# Altium PCB TTN_Gateway_V2.3.1.PcbDoc (part 1 of 3) (continued)
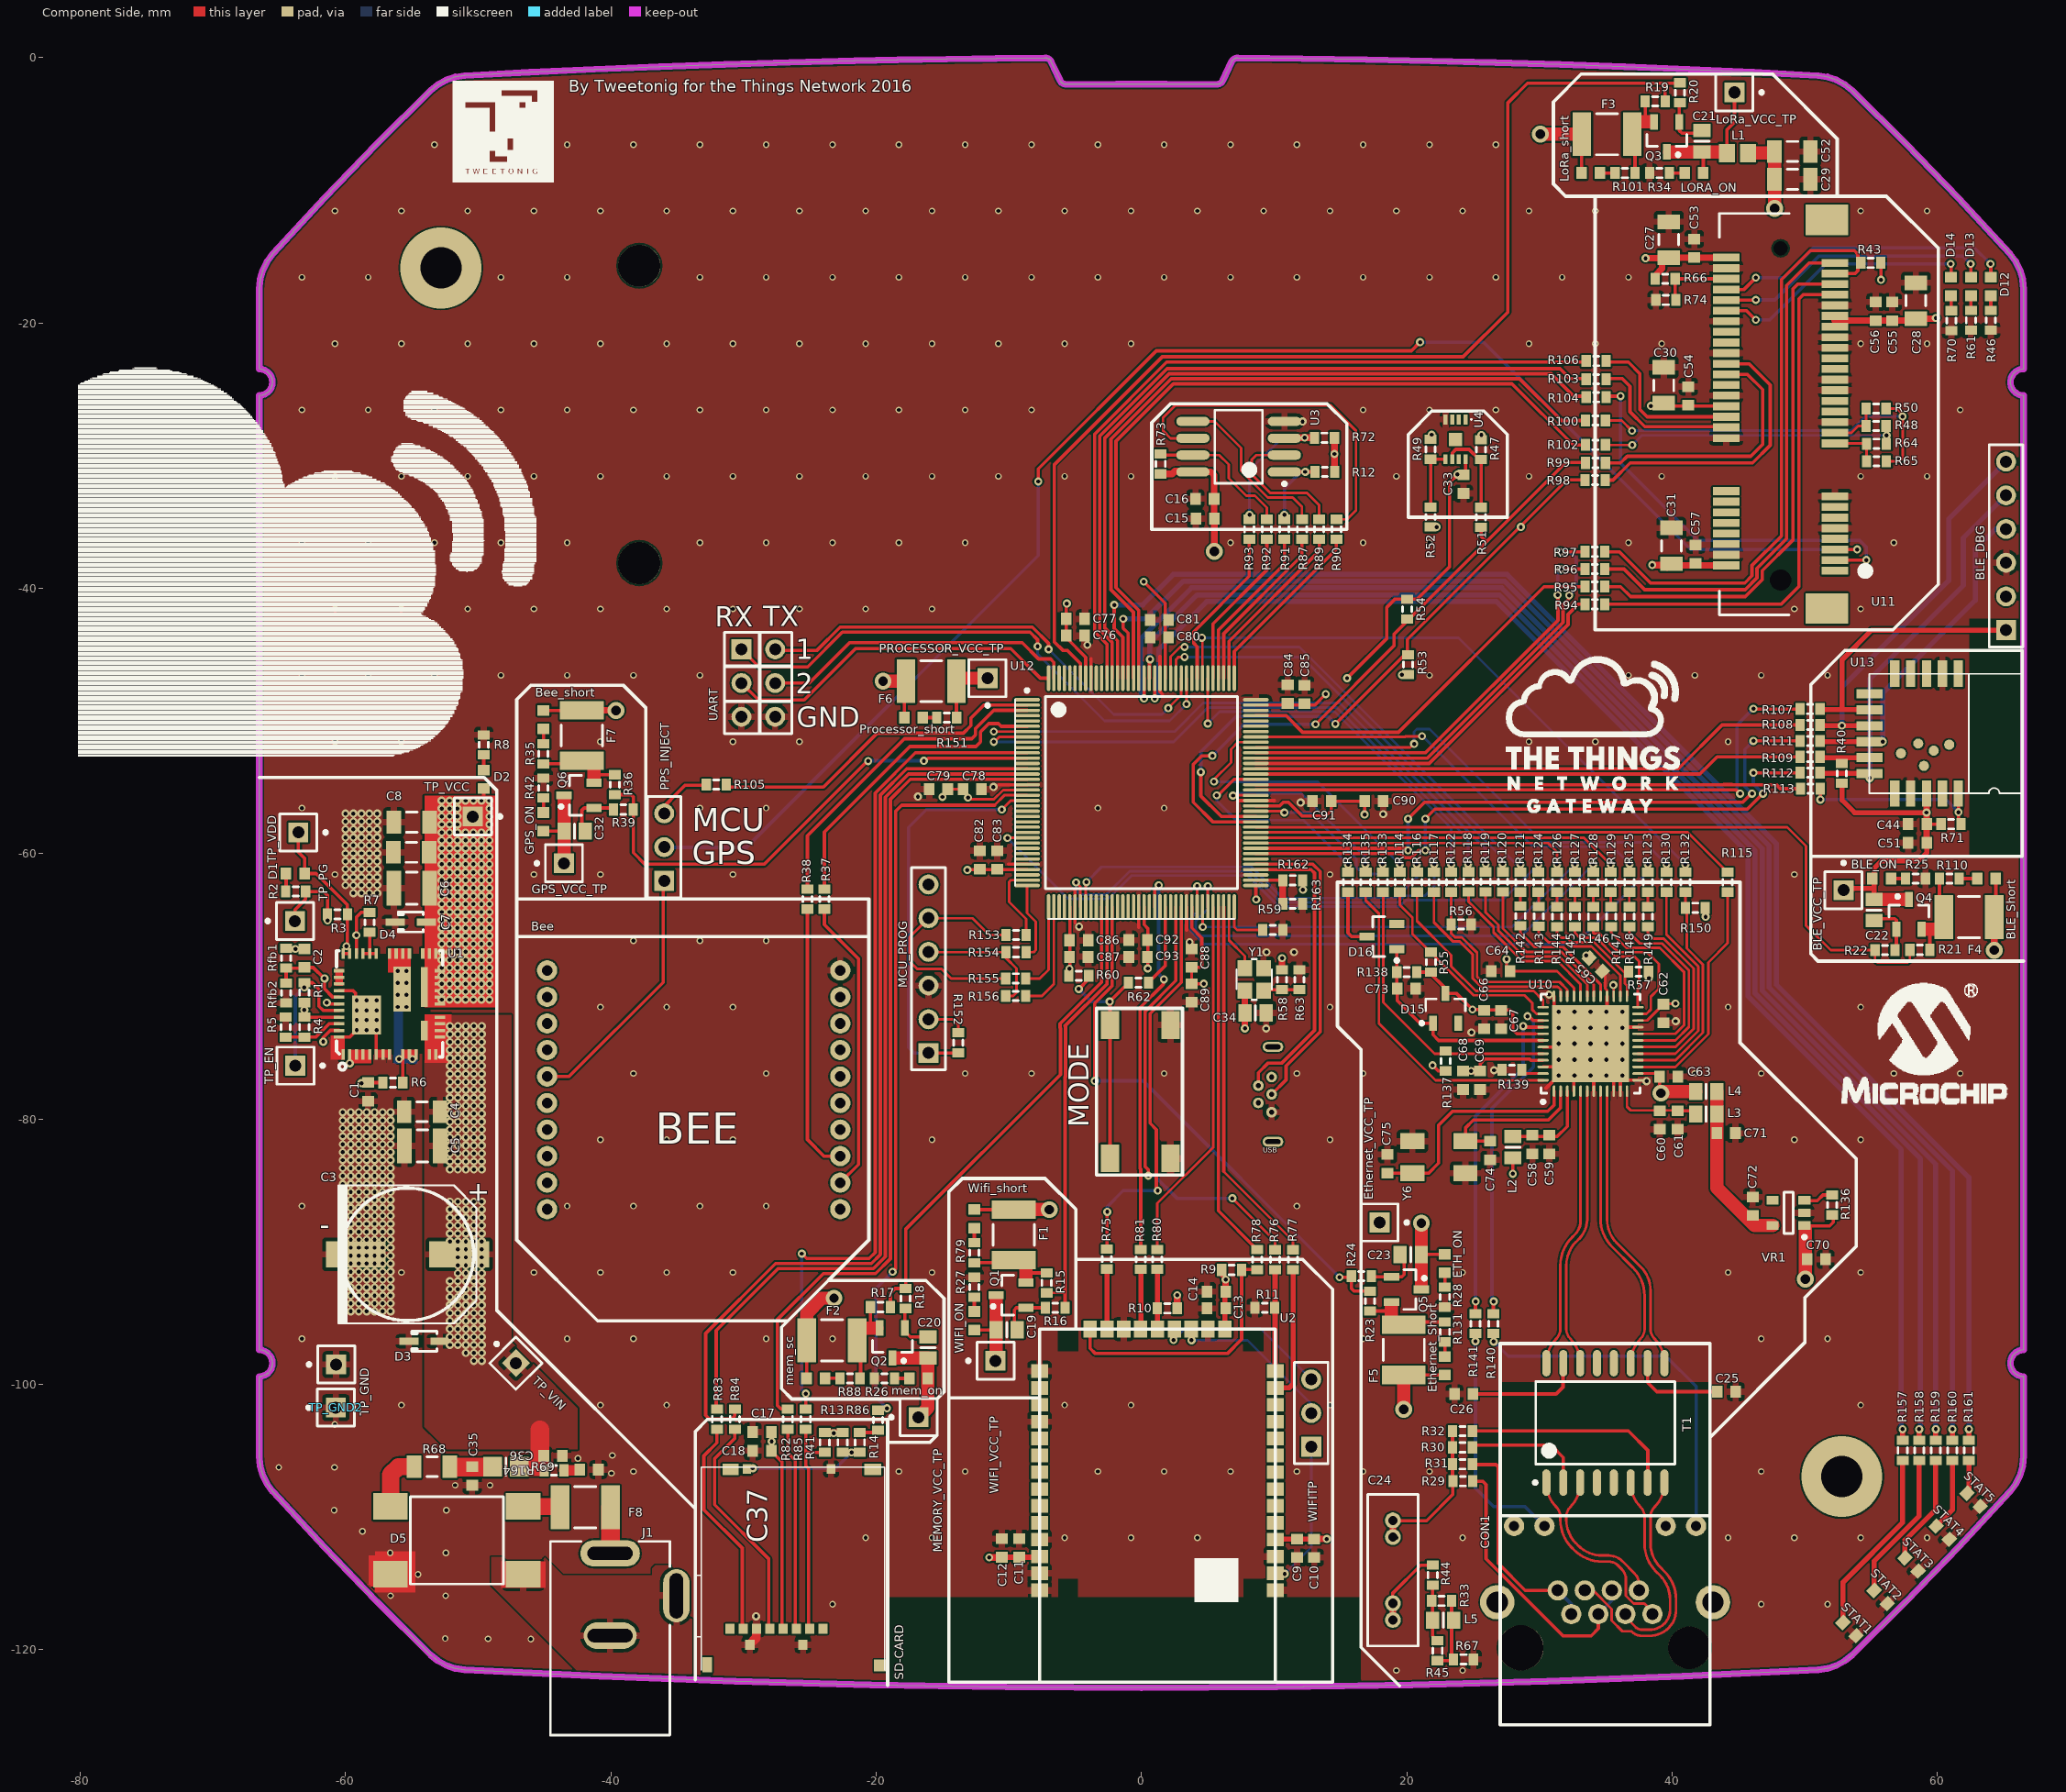
[diagram p0: Component Side view]
## Footprints (in the part's own frame and the unit in brackets; to place one, negate y for a bottom-side part, rotate by r counter-clockwise, add the part's x,y. Pads: shape width x height; smd on the part's side, far side on the other; paste and mask are expansions set on the pad) (continued)
BUTTON [mm]
  rect 2.1x1.4 smd: 1(0,0) 1(10.033,0) 2(0,-4.572) 2(10.033,-4.572)
  silkscreen extent -1.27,-5.59 11.3,0.89, body extent 1.14,-5.33 8.89,0.76, height 3
C0603 [mm] "Chip Capacitor, Body 1.6x0.8mm, IPC High Density"
  rect 0.8x0.9 smd: 1(-0.7,0) 2(0.7,0)
  body extent -0.87,-0.48 0.87,0.48, height 1.3
C1206 [mm] "Chip Capacitor, Body 3.2x1.6mm, IPC High Density"
  rect 1.1x1.7 smd: 1(-1.35,0) 2(1.35,0)
  silkscreen extent -0.4,-0.75 0.4,0.75, body extent -1.7,-0.9 1.7,0.9, height 1.3
C1210 [mm] "Chip Capacitor, Body 3.2x2.5mm, IPC High Density"
  rect 1.1x2.6 smd: 1(-1.35,0) 2(1.35,0)
  silkscreen extent -0.4,-1.2 0.4,1.2, body extent -1.7,-1.35 1.7,1.35, height 1.3
"CAP HV 5-7.5mm" [mm] "Radial Cap, Thru-Hole; 2 Leads; 0.3 in Pin Spacing"
  round 1.2 hole 0.7: 1(-3.75,0) 1(-2.5,0) 2(2.5,0) 2(3.75,0)
  Component Side lines w0.5: -3.725,0 -2.475,0 ; 2.5,0 3.775,0
  silkscreen extent -5.71,-1.91 5.71,1.91
"Crystal - ABM3B" [mm] "5x3.5 mm 8 Mhz Crystal: ABRACON ABM3B"
  rect 1.8x1.2 smd: 1(0,-2.4) 2(4,-2.4) 3(4,0) 4(0,0)
  body extent -0.77,-2.85 4.75,0.48, height 1.1
GWLX-S9-88-G/G [mm] "GWLX-S9-88-G/G Ethernet Jack with Leds"
  round 1.524 hole 0.9: 1(3.57,2.54) 2(2.55,4.32) 3(1.53,2.54) 4(0.51,4.32) 5(-0.51,2.54) 6(-1.53,4.32) 7(-2.55,2.54) 8(-3.57,4.32)
  round 1.524 hole 0.762: 9(6.86,9.18) 10(4.57,9.18) 11(-4.57,9.18) 12(-6.86,9.18)
  round 2.6 hole 1.6: ""(-8.13,3.43) ""(8.13,3.43)
  round 3.4 hole 3.4: ""(-6.35,0)
  round 3.2 hole 3.2: ""(6.35,0)
  silkscreen extent -7.9,-5.8 7.9,9.94, body extent -7.91,-5.99 7.92,9.94, height 13.21
HDR1X3 [mm] "Connector; Header; 3 Position"
  rect 1.5x1.5 hole 0.9: 1(0,0)
  round 1.5 hole 0.9: 2(2.54,0) 3(5.08,0)
  silkscreen extent -1.27,-1.27 6.35,1.27
HDR1X6 [mm] "Connector; Header; 6 Position"
  rect 1.5x1.5 hole 0.9: 1(0,0)
  round 1.5 hole 0.9: 2(2.54,0) 3(5.08,0) 4(7.62,0) 5(10.16,0) 6(12.7,0)
  silkscreen extent -1.27,-1.27 13.97,1.27
HDR2X3 [mm] "Connector; Header; 3x2 Position"
  rect 1.5x1.5 hole 0.9: 1(0,0)
  round 1.5 hole 0.9: 2(0,2.54) 3(2.54,0) 4(2.54,2.54) 5(5.08,0) 6(5.08,2.54)
  silkscreen extent -1.27,-1.27 6.35,3.81
KLD-0202 [mm] "DC Power Jack, 2.5mm, KLD Series, PCB Mount"
  oval 2x4.5 all layers, no hole: 1(13.7,0)
  round 0 all layers, no hole: 1A(13.7,-1.25) 1B(13.7,1.25) 2A(7.5,-1) 2B(7.5,1) 3A(9.5,-5) 3B(11.5,-5)
  oval 2x4 all layers, no hole: 2(7.5,0)
  oval 4x2 all layers, no hole: 3(10.5,-5)
  silkscreen extent 0,-4.5 14.6,4.5
MCHP-TQFP-PH144_M [mm] "QFP, 144-Leads, Body 16x16mm, Pitch 0.4mm, IPC Low Density"
  oval 1.95x0.25 smd: 1(-8.625,7) 2(-8.625,6.6) 3(-8.625,6.2) 4(-8.625,5.8) 5(-8.625,5.4) 6(-8.625,5) 7(-8.625,4.6) 8(-8.625,4.2) 9(-8.625,3.8) 10(-8.625,3.4) 11(-8.625,3) 12(-8.625,2.6) 13(-8.625,2.2) 14(-8.625,1.8) 15(-8.625,1.4) 16(-8.625,1) 17(-8.625,0.6) 18(-8.625,0.2) 19(-8.625,-0.2) 20(-8.625,-0.6) 21(-8.625,-1) 22(-8.625,-1.4) 23(-8.625,-1.8) 24(-8.625,-2.2) 25(-8.625,-2.6) 26(-8.625,-3) 27(-8.625,-3.4) 28(-8.625,-3.8) 29(-8.625,-4.2) 30(-8.625,-4.6) 31(-8.625,-5) 32(-8.625,-5.4) 33(-8.625,-5.8) 34(-8.625,-6.2) 35(-8.625,-6.6) 36(-8.625,-7) 73(8.625,-7) 74(8.625,-6.6) 75(8.625,-6.2) 76(8.625,-5.8) 77(8.625,-5.4) 78(8.625,-5) 79(8.625,-4.6) 80(8.625,-4.2) 81(8.625,-3.8) 82(8.625,-3.4) 83(8.625,-3) 84(8.625,-2.6) 85(8.625,-2.2) 86(8.625,-1.8) 87(8.625,-1.4) 88(8.625,-1) 89(8.625,-0.6) 90(8.625,-0.2) 91(8.625,0.2) 92(8.625,0.6) 93(8.625,1) 94(8.625,1.4) 95(8.625,1.8) 96(8.625,2.2) 97(8.625,2.6) 98(8.625,3) 99(8.625,3.4) 100(8.625,3.8) 101(8.625,4.2) 102(8.625,4.6) 103(8.625,5) 104(8.625,5.4) 105(8.625,5.8) 106(8.625,6.2) 107(8.625,6.6) 108(8.625,7)
  oval 0.25x1.95 smd: 37(-7,-8.625) 38(-6.6,-8.625) 39(-6.2,-8.625) 40(-5.8,-8.625) 41(-5.4,-8.625) 42(-5,-8.625) 43(-4.6,-8.625) 44(-4.2,-8.625) 45(-3.8,-8.625) 46(-3.4,-8.625) 47(-3,-8.625) 48(-2.6,-8.625) 49(-2.2,-8.625) 50(-1.8,-8.625) 51(-1.4,-8.625) 52(-1,-8.625) 53(-0.6,-8.625) 54(-0.2,-8.625) 55(0.2,-8.625) 56(0.6,-8.625) 57(1,-8.625) 58(1.4,-8.625) 59(1.8,-8.625) 60(2.2,-8.625) 61(2.6,-8.625) 62(3,-8.625) 63(3.4,-8.625) 64(3.8,-8.625) 65(4.2,-8.625) 66(4.6,-8.625) 67(5,-8.625) 68(5.4,-8.625) 69(5.8,-8.625) 70(6.2,-8.625) 71(6.6,-8.625) 72(7,-8.625) 109(7,8.625) 110(6.6,8.625) 111(6.2,8.625) 112(5.8,8.625) 113(5.4,8.625) 114(5,8.625) 115(4.6,8.625) 116(4.2,8.625) 117(3.8,8.625) 118(3.4,8.625) 119(3,8.625) 120(2.6,8.625) 121(2.2,8.625) 122(1.8,8.625) 123(1.4,8.625) 124(1,8.625) 125(0.6,8.625) 126(0.2,8.625) 127(-0.2,8.625) 128(-0.6,8.625) 129(-1,8.625) 130(-1.4,8.625) 131(-1.8,8.625) 132(-2.2,8.625) 133(-2.6,8.625) 134(-3,8.625) 135(-3.4,8.625) 136(-3.8,8.625) 137(-4.2,8.625) 138(-4.6,8.625) 139(-5,8.625) 140(-5.4,8.625) 141(-5.8,8.625) 142(-6.2,8.625) 143(-6.6,8.625) 144(-7,8.625)
  silkscreen extent -8.75,-7.25 7.25,7.82, body extent -8,-8 8,8, height 1.2
MRF24WN0MA [mil] "MRF24WN0MA - Wifi B/G/N Module"
  rect 50x40 smd: 1(0,775) 2(0,725) 3(0,675) 4(0,625) 5(0,575) 6(0,525) 7(0,475) 8(0,425) 9(0,375) 10(0,325) 11(0,275) 12(0,225) 13(0,175) 14(0,125) 24(700,125) 25(700,175) 26(700,225) 27(700,275) 28(700,325) 29(700,375) 30(700,425) 31(700,475) 32(700,525) 33(700,575) 34(700,625) 35(700,675) 36(700,725) 37(700,775)
  rect 40x50 smd: 15(150,0) 16(200,0) 17(250,0) 18(300,0) 19(350,0) 20(400,0) 21(450,0) 22(500,0) 23(550,0)
  Component Side pour cut-out: 35,5 35,65 95,65 95,5
  Component Side pour cut-out: 35,740 35,800 95,800 95,740
  Component Side pour cut-out: 585,5 585,65 645,65 645,5
  Component Side pour cut-out: 585,740 585,800 645,800 645,740
  Component Side pour cut-out: -25,795 725,795 725,1050 -25,1050
  Top Overlay keep-out region: 110,680 240,680 240,810 110,810
  silkscreen extent 0,0 700,1048, body extent 0,0 700,1047, height 100
PIN1 [mm] "Connector; Plug"
  rect 1.5x1.5 hole 0.9: 1(0,0)
  silkscreen extent -1.4,-1.4 1.4,2.17
QFN48_M [mm] "QFN, 48-Leads, Body 7x7mm, Pitch 0.5mm, IPC Low Density"
  oval 0.85x0.2 smd: 1(-3.575,2.75) 2(-3.575,2.25) 3(-3.575,1.75) 4(-3.575,1.25) 5(-3.575,0.75) 6(-3.575,0.25) 7(-3.575,-0.25) 8(-3.575,-0.75) 9(-3.575,-1.25) 10(-3.575,-1.75) 11(-3.575,-2.25) 12(-3.575,-2.75) 25(3.575,-2.75) 26(3.575,-2.25) 27(3.575,-1.75) 28(3.575,-1.25) 29(3.575,-0.75) 30(3.575,-0.25) 31(3.575,0.25) 32(3.575,0.75) 33(3.575,1.25) 34(3.575,1.75) 35(3.575,2.25) 36(3.575,2.75)
  oval 0.2x0.85 smd: 13(-2.75,-3.575) 14(-2.25,-3.575) 15(-1.75,-3.575) 16(-1.25,-3.575) 17(-0.75,-3.575) 18(-0.25,-3.575) 19(0.25,-3.575) 20(0.75,-3.575) 21(1.25,-3.575) 22(1.75,-3.575) 23(2.25,-3.575) 24(2.75,-3.575) 37(2.75,3.575) 38(2.25,3.575) 39(1.75,3.575) 40(1.25,3.575) 41(0.75,3.575) 42(0.25,3.575) 43(-0.25,3.575) 44(-0.75,3.575) 45(-1.25,3.575) 46(-1.75,3.575) 47(-2.25,3.575) 48(-2.75,3.575)
  rect 5.8x5.8 smd paste-1: 49(0,0)
  silkscreen extent -4.5,-3.72 3.72,3.73, body extent -3.57,-3.57 3.57,3.57, height 0.9
R0603 [mm] "Chip Resistor, Body 1.6x0.8mm, IPC High Density"
  rect 0.7x0.9 smd: 1(-0.75,0) 2(0.75,0)
  silkscreen extent -0.2,-0.35 0.2,0.35, body extent -0.85,-0.48 0.85,0.48, height 0.9
SCHA4B0400 [mm]
  rect 0.7x0.75 smd: \C\S\(8.163,3.125) CLK(5.163,3.125) DAT1(2.163,3.125) DAT2(9.163,3.125) GND(3.662,1.925) GND(4.163,3.125) GND(7.662,1.925) MISO(3.163,3.125) MOSI(7.163,3.125) VDD(6.163,3.125)
  rect 0.65x0.75 smd: CD(3.437,15.175) GND(9.787,15.175)
  rect 0.745x1.15 smd: SHIELD(0.453,0.425)
  rect 1.2x0.85 smd: SHIELD(2.2,15.15)
  rect 1.3x0.85 smd: SHIELD(12.925,15.15)
  rect 0.95x0.9 smd: SHIELD(13.487,0.35)
  Mechanical 8 keep-out region: 0.9,6.65 9.8,6.65 9.8,11.05 0.9,11.05
  Mechanical 8 keep-out region: 5.445,12.8 7.95,12.8 7.95,15.35 5.445,15.35
  Mechanical 8 keep-out region: 4.4,12.8 7.95,12.8 7.95,14.2 4.4,14.2
  silkscreen extent -0.42,0 13.82,15.3
"SMD_CAP_10x7.7mm_220uF - duplicate" [mm] "UCD1V221MCL6GS"
  rect 4.5x2 smd: 1(3.9,0) 2(-3.9,0)
  silkscreen extent -5.2,-5.2 5.2,5.2, body extent -5.2,-5.2 5.2,5.2, height 7.7
SOD323 [mm] "SOD-323/SC-76; 2 Leads; Body 1.7 x 1.3 mm, (LxW)"
  rect 1.45x0.55 smd: 1(1.175,0) 2(-1.175,0)
  silkscreen extent -0.95,-0.75 0.95,0.75
SOIJ-SM8_M [mm] "SOP, 8-Leads, Body 5.2x5.2mm, Pitch 1.27mm, IPC Low Density"
  oval 2.5x0.7 smd: 1(-3.45,1.905) 2(-3.45,0.635) 3(-3.45,-0.635) 4(-3.45,-1.905) 5(3.45,-1.905) 6(3.45,-0.635) 7(3.45,0.635) 8(3.45,1.905)
  silkscreen extent -3.57,-2.75 1.8,2.93, body extent -2.73,-2.75 2.73,2.75, height 2.04
SOT23-5_L [mm] "SOT23, 5-Leads, Body 2.9x1.6mm, Pitch 0.95mm, Lead Span 2.8mm, IPC High Density"
  rect 0.9x0.65 smd: 1(-1.2,0.95) 2(-1.2,0) 3(-1.2,-0.95) 4(1.2,-0.95) 5(1.2,0.95)
  silkscreen extent -1.33,-1.55 0.35,1.95, body extent -0.9,-1.55 0.9,1.55, height 1.45
SOT23_N [mm] "SOT23, 3-Leads, Body 2.9x1.3mm, Pitch 0.95mm, Lead Span 2.3mm - Reverse Pinning, IPC Medium Density"
  rect 1.15x0.6 smd: 1(1.125,0) 2(-1.125,-0.95) 3(-1.125,0.95)
  silkscreen extent -0.2,-1.5 1.47,1.5, body extent -0.7,-1.5 0.7,1.5, height 1.1
SOT-23_N [mm] "SOT23, 3-Leads, Body 2.9x1.3mm, Pitch 0.95mm, Lead Span 2.5mm, IPC Medium Density"
  rect 1.15x0.6 smd: 1(-1.125,0.95) 2(-1.125,-0.95) 3(1.125,0)
  silkscreen extent -1.25,-1.5 0.7,1.92, body extent -0.7,-1.5 0.7,1.5, height 1.1
UDFN-MU8-non-thermal [mm] "UDFN, 8-Leads, Body 2x3mm, Pitch 0.5mm, Microchip Recommended"
  rect 0.75x0.3 smd: 1(-1.5,0.75) 2(-1.5,0.25) 3(-1.5,-0.25) 4(-1.5,-0.75) 5(1.5,-0.75) 6(1.5,-0.25) 7(1.5,0.25) 8(1.5,0.75)
  rect 1x1 smd: ""(0,0)
  silkscreen extent -1.55,1.15 -1.45,1.25, body extent -1.52,-1.02 1.52,1.02, height 0.55
"Vertical MicroUSB" [mm] "GCT vertical throughole usb: Farnell: 1080990"
  round 0.8 hole 0.4: 1(1.35,0) 2(0.65,-1) 3(0,0) 4(-0.65,-1) 5(-1.3,0)
  oval 0.75x1.55 hole 0.35 slot 1.15 at 90 deg: ""(-3.575,0.1) ""(3.575,0.1)
  body extent -3.9,-2.25 3.9,1.75, height 6.5
WSOIC16_L [mm] "16-Pin Small Outline Integrated Circuit 1.27 mm Pitch, IPC High Density"
  oval 2x0.6 smd: 1(-4.5,4.445) 2(-4.5,3.175) 3(-4.5,1.905) 4(-4.5,0.635) 5(-4.5,-0.635) 6(-4.5,-1.905) 7(-4.5,-3.175) 8(-4.5,-4.445) 9(4.5,-4.445) 10(4.5,-3.175) 11(4.5,-1.905) 12(4.5,-0.635) 13(4.5,0.635) 14(4.5,1.905) 15(4.5,3.175) 16(4.5,4.445)
  silkscreen extent -4.62,-5.25 3.1,5.42, body extent -3.75,-5.15 3.75,5.15, height 2.66

## Part data
Bee: "Header, 20-Pin"
Bee_short BLE_Short D12 D13 D14 Ethernet_Short LoRa_short mem_sc Processor_short STAT1 STAT2 STAT3 STAT4 STAT5 Wifi_short: "Typical INFRARED GaAs LED"
BLE_DBG MCU_PROG: "Header, 6-Pin"
BLE_ON D1 D2 ETH_ON GPS_ON LORA_ON mem_on WIFI_ON: library part LED0, "Typical INFRARED GaAs LED"
C1 C2 C4 C5 C6 C7 C8 C9 C10 C11 C12 C13 C14 C15 C16 C17 C18 C19 C20 C21 C22 C23 C24 C25 C26 C27 C28 C29 C30 C31 C32 C33 C34 C44 C51 C52 C53 C54 C55 C56 C57 C58 C59 C60 C61 C62 C63 C64 C65 C66 C67 C68 C69 C70 C71 C72 C73 C74 C75 C76 C77 C78 C79 C80 C81 C82 C83 C84 C85 C86 C87 C88 C89 C90 C91 C92 C93: "Capacitor"
C3: "Polarized Capacitor (Surface Mount)"
C35 C36 C37: library part 0603_47uF_20%, "47uF, 20%, 6.3V, X5R, 0603"
CON1: "GWLX-S9-88-G/G Ethernet Jack w/Leds"
D3 D4: library part Tranzorb, "Transient Voltage Suppression (TVS) Diode"
D5: "Full Wave Diode Bridge"
D15 D16: library part "Diode BAT17", "Silicon RF Schottky Diode for Mixer Applications in the VHF/UHF Range"
F1 F2 F3 F4 F5 F6 F7 F8: "Thermal Fuse"
J1: "Low Voltage Power Supply Connector"
MODE: "Switch"
PPS_INJECT WIFITP: "Header, 3-Pin"
Q1 Q2 Q3 Q4 Q5 Q6: "P-Channel MOSFET"
R1 R2 R3 R4 R5 R6 R7 R8 R9 R10 R11 R12 R13 R14 R15 R16 R17 R18 R19 R20 R21 R22 R23 R24 R25 R26 R27 R28 R29 R30 R31 R32 R33 R34 R35 R36 R37 R38 R39 R40 R41 R42 R43 R44 R45 R46 R47 R48 R49 R50 R53 R54 R55 R56 R57 R58 R59 R60 R61 R62 R63 R64 R65 R66 R67 R70 R71 R72 R73 R74 R79 R88 R101 R110 R131 R136 R137 R138 R139 R140 R141 R142 R143 R144 R145 R146 R147 R148 R149 R150 R151 R152 R153 R154 R155 R156 R157 R158 R159 R160 R161 R162 R163 Rfb1 Rfb2: "Resistor"
R51 R52 R75 R76 R77 R78 R80 R81 R82 R83 R84 R85 R86 R87 R89 R90 R91 R92 R93 R94 R95 R96 R97 R98 R99 R100 R102 R103 R104 R105 R106 R107 R108 R109 R111 R112 R113 R114 R115 R116 R117 R118 R119 R120 R121 R122 R123 R124 R125 R126 R127 R128 R129 R130 R132 R133 R134 R135: library part Res1, "Resistor"
R68 R69: library part Resistor, "Resistor"
R164: library part 0603_1R_1%, "1R, 1%, 100mW, 0603"
T1: "PT61018PEL - Ethernet Transformer"
U1: "MICREL45205 DC/DC Converter"
U2: "MRF24WN0MA Wifi SOC"
U3: "SST26VF064B Microchip SPI Flash Memory 64Mbit"
U10: "Micrel KSZ8061MNG PHY-Ethernet Tranceiver"
U11: library part "MCP LoRa Gateway", "Microchip Mini PCI Express LoRa Radio"
U12: library part PIC32MZ2056ECE144_144TQFP_Chicagoland, "PIC32MZ2056ECE144 Chicagoland"
U13: library part BM718LES1FC2, "BM718LES1FC2 Bluetooth 4.2 LE Mesh"
UART: "Header, 3-Pin, Dual row"
USB: "Header, 5-Pin"
VR1: library part MIC5248-x.xYM5, "Microchip MIC5248 Regulator"
Y6: library part NX2520SA-16MHZ-STD-CSW-5, "XTAL SMD 2520, 16MHz, 8pF, ±15ppm"

## Free pads (board coordinates)
  oval 4x2 hole 1 slot 3.4 at 0 deg: 2(-40.05,-118.932) 2(-40.05,-112.732)
  oval 2x4 hole 1 slot 3.4 at 90 deg: 2(-35.05,-115.932)

## Via types
v1: diameter 0.61, hole 0.305, Component Side to Solder Side, tented both sides, 817 vias
v2: diameter 0.5, hole 0.3, Component Side to Solder Side, tented both sides, 272 vias
v3: diameter 0.66, hole 0.33, Component Side to Solder Side, tented top, 25 vias
v4: diameter 1.27, hole 0.711, Component Side to Solder Side, 12 vias
v5: diameter 6.1, hole 3.1, Component Side to Solder Side, 2 vias

## Nets (pads, with @x,y where several pads share a name; then routed paths per layer and width w, separated by ;. In a path a pad name is that pad's centre, name@x,y a point inside that pad or via, vN(x,y) a via of type N, cw(c..) or ccw(c..) an arc to the next point about the centre after c; other vN are vias at no path point)
3.3V_RAIL: Bee_short.1 BLE_Short.1 C2.1 C6.2 C7.2 C8.2 D2.1 D4.2 Ethernet_Short.1 F1.1 F2.1 F3.1 F4.1 F5.1 F6.1 F7.1 LoRa_short.1 mem_sc.1 Processor_short.1 Rfb1.1 TP_VCC.1 U1.21 U1.22 U1.23 U1.24 U1.25 U1.26 U1.27 U1.28 U1.29 Wifi_short.1 | length 62.1
  Component Side w0.254: Rfb1.1@-64.475,-67.125 -64.425,-67.175 C2.1@-63.1,-67.175 ; U1.29@-54.175,-67.519 U1.28@-53.675,-67.52 ; v1@-49.575,-55.822 D2.1@-49.575,-55.097 ; Bee_short.1@-45.075,-49.2 F7.1@-42.175,-49.2 ; mem_sc.1@-25.223,-99.297 F2.1@-25.223,-96.672 ; Processor_short.1@-17.875,-49.747 F6.1@-17.875,-47.122 ; Wifi_short.1@-12.6,-86.825 F1.1@-9.625,-86.825 ; F5.1@19.775,-99.295 Ethernet_Short.1@22.875,-99.295 ; LoRa_short.1@33.175,-8.7 F3.1@33.175,-5.8 ; F4.1@64.275,-64.775 64.4,-64.65 BLE_Short.1@64.4,-61.875
  Component Side w0.5: F7.1@-42.175,-49.2 v4(-39.602,-49.2) ; v4(64.275,-67.272) F4.1@64.275,-64.775
  Component Side w1: F2.1@-25.223,-96.672 -25.223,-94.645 -24.075,-93.497 v4(-23.175,-93.497) ; v4(-19.475,-46.997) F6.1@-17.75,-46.997 ; F1.1@-9.625,-86.825 v4(-6.952,-86.825) ; v4(19.775,-101.872) F5.1@19.775,-99.295 ; v4(30.077,-5.775) F3.1@33.2,-5.775
  Signal Layer 3 w0.254: v1(-63.775,-67.175) -62.225,-65.624 -62.225,-57.824 -60.375,-55.975 -53.5,-55.975
  Solder Side w0.254: v4(-6.952,-86.825) v4@-6.825,-86.697
  other v1: -52.75,-70.997 -52.15,-70.997 -51.55,-70.997 -50.95,-70.997 -50.35,-70.997 -49.75,-70.997 -49.15,-70.997 -52.75,-70.397 -52.15,-70.397 -51.55,-70.397 -50.95,-70.397 -50.35,-70.397 -49.75,-70.397 -49.15,-70.397 -52.75,-69.797 -52.15,-69.797 -51.55,-69.797 -50.95,-69.797 -50.35,-69.797 -49.75,-69.797 -49.15,-69.797 -52.75,-69.197 -52.15,-69.197 -51.55,-69.197 -50.95,-69.197 -50.35,-69.197 -49.75,-69.197 -49.15,-69.197 -52.75,-68.597 -52.15,-68.597 -51.55,-68.597 -50.95,-68.597 -50.35,-68.597 -49.75,-68.597 -49.15,-68.597 -52.75,-67.997 -52.15,-67.997 -51.55,-67.997 -50.95,-67.997 -50.35,-67.997 -49.75,-67.997 -49.15,-67.997 -52.75,-67.397 -52.15,-67.397 -51.55,-67.397 -50.95,-67.397 -50.35,-67.397 -49.75,-67.397 -49.15,-67.397 -52.75,-66.797 -52.15,-66.797 -51.55,-66.797 -50.95,-66.797 -50.35,-66.797 -49.75,-66.797 -49.15,-66.797 -52.75,-66.197 -52.15,-66.197 -51.55,-66.197 -50.95,-66.197 -50.35,-66.197 -49.75,-66.197 -49.15,-66.197 -52.75,-65.597 -52.15,-65.597 -51.55,-65.597 -50.95,-65.597 -50.35,-65.597 -49.75,-65.597 -49.15,-65.597 -52.75,-64.997 -52.15,-64.997 -51.55,-64.997 -50.95,-64.997 -50.35,-64.997 -49.75,-64.997 -49.15,-64.997 -52.75,-64.397 -52.15,-64.397 -51.55,-64.397 -50.95,-64.397 -50.35,-64.397 -49.75,-64.397 -49.15,-64.397 -52.75,-63.797 -52.15,-63.797 -51.55,-63.797 -50.95,-63.797 -50.35,-63.797 -49.75,-63.797 -49.15,-63.797 -52.75,-63.197 -52.15,-63.197 -51.55,-63.197 -50.95,-63.197 -50.35,-63.197 -49.75,-63.197 -49.15,-63.197 -52.75,-62.597 -52.15,-62.597 -51.55,-62.597 -50.95,-62.597 -50.35,-62.597 -49.75,-62.597 -49.15,-62.597 -52.75,-61.997 -52.15,-61.997 -51.55,-61.997 -50.95,-61.997 -50.35,-61.997 -49.75,-61.997 -49.15,-61.997 -52.75,-61.397 -52.15,-61.397 -51.55,-61.397 -50.95,-61.397 -50.35,-61.397 -49.75,-61.397 -49.15,-61.397 -52.75,-60.797 -52.15,-60.797 -51.55,-60.797 -50.95,-60.797 -50.35,-60.797 -49.75,-60.797 -49.15,-60.797 -52.75,-60.197 -52.15,-60.197 -51.55,-60.197 -50.95,-60.197 -50.35,-60.197 -49.75,-60.197 -49.15,-60.197 -52.75,-59.597 -52.15,-59.597 -51.55,-59.597 -50.95,-59.597 -50.35,-59.597 -49.75,-59.597 -49.15,-59.597 -52.75,-58.997 -52.15,-58.997 -51.55,-58.997 -50.95,-58.997 -50.35,-58.997 -49.75,-58.997 -49.15,-58.997 -52.75,-58.397 -52.15,-58.397 -51.55,-58.397 -50.95,-58.397 -50.35,-58.397 -49.75,-58.397 -49.15,-58.397 -52.75,-57.797 -52.15,-57.797 -51.55,-57.797 -49.15,-57.797 -52.75,-57.197 -52.15,-57.197 -51.55,-57.197 -50.35,-57.197 -49.15,-57.197 -52.75,-56.597 -52.15,-56.597 -51.55,-56.597 -49.15,-56.597 -52.75,-55.997 -52.15,-55.997 -51.55,-55.997 -50.95,-55.997 -50.35,-55.997 -49.75,-55.997 -49.15,-55.997
\M\C\L\R\: MCU_PROG.1 R152.2 U12.20 | length 30.3
  Component Side w0.2: v1(-10.525,-56.672) -9.85,-55.997 U12.20@-8.625,-55.997
  Component Side w0.254: MCU_PROG.1@-16.05,-75.022 -13.825,-75.022 R152.2@-13.8,-74.997
  Solder Side w0.254: MCU_PROG.1@-16.05,-75.022 -17.125,-75.022 -17.55,-74.597 -17.55,-58.022 -16.2,-56.672 v1(-10.525,-56.672)